# Altium PCB erb-pcb0003.PcbDoc (part 1 of 2) (continued)
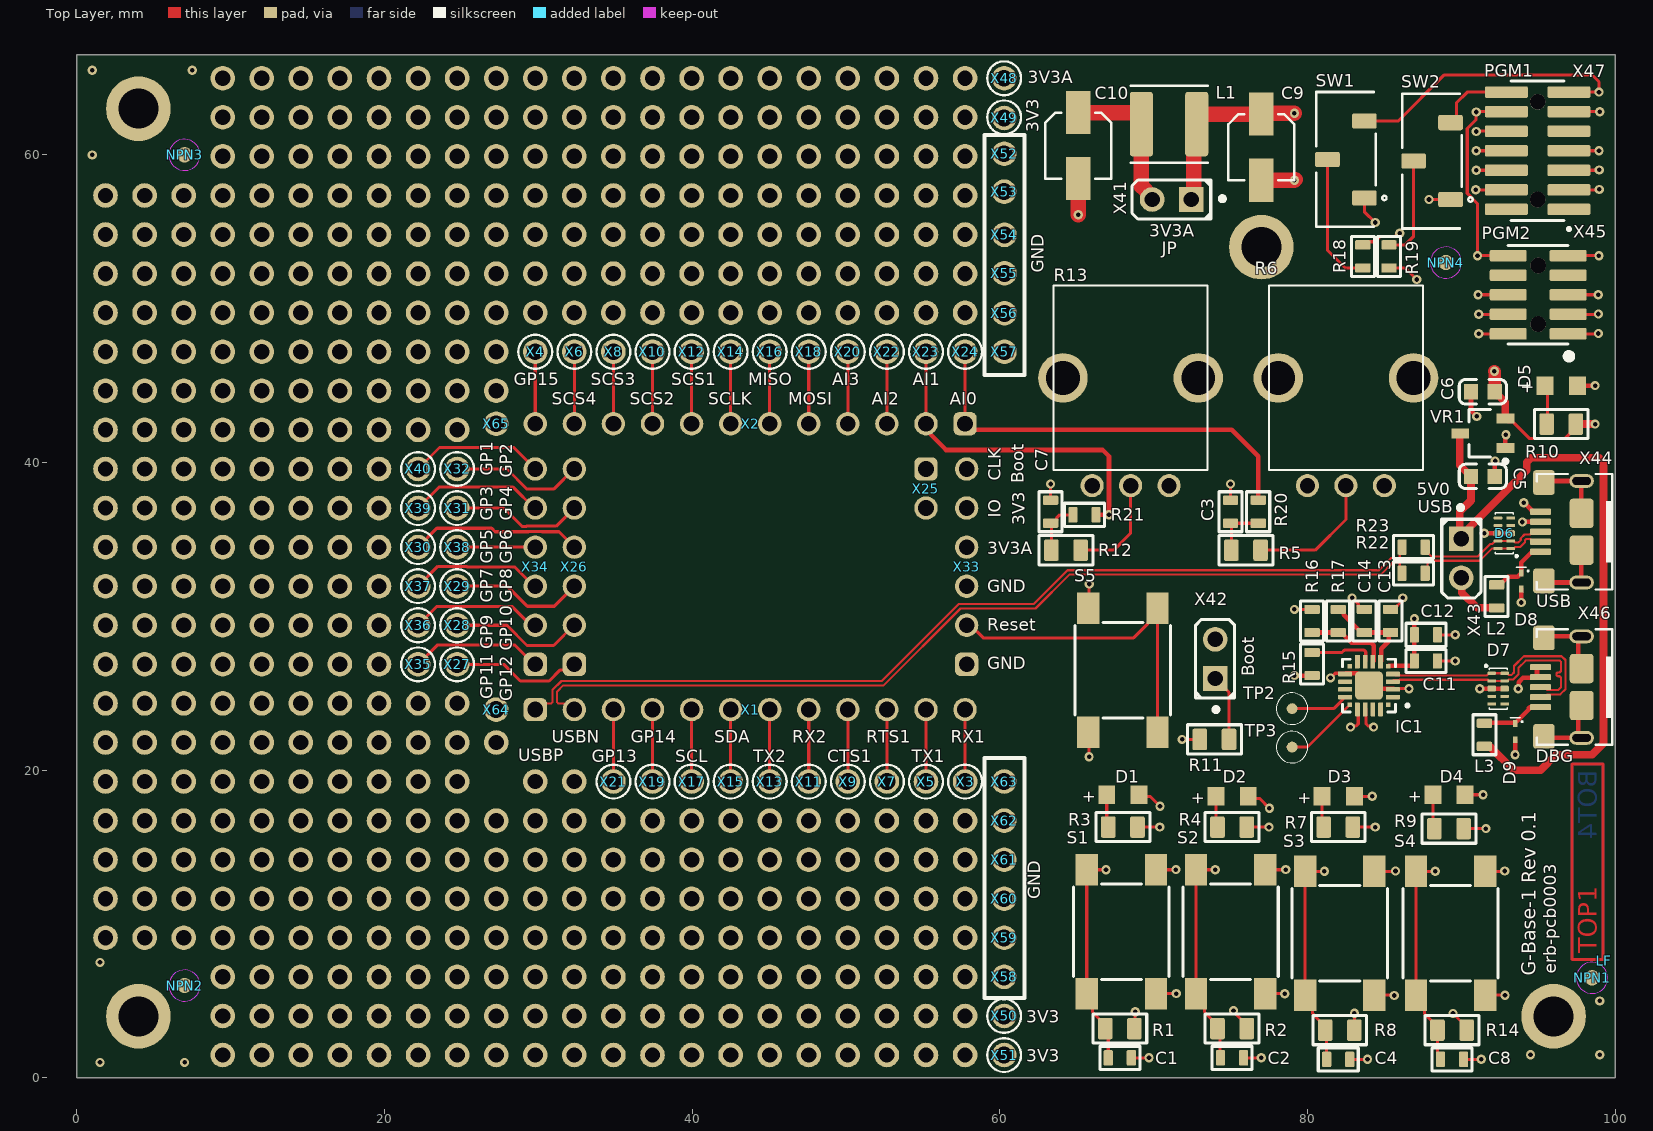
[diagram p0: Top Layer view]
## Components (designator, comment, footprint, x,y, rotation, side; value= is the part's Value field where it differs from the comment) (continued)
X24 "PAD" PAD_1.1_1.6#1 57.74,47.2 r90 top net-tie
X25 "HDR 1x2" 61300211821_NO 55.2,38.31 r270 top
X26 "HDR 1x6" 61300611821_NO 32.34,33.23 r90 top
X27 "PAD" PAD_1.1_1.6#1 24.72,26.88 r90 top net-tie
X28 "PAD" PAD_1.1_1.6#1 24.72,29.42 r90 top net-tie
X29 "PAD" PAD_1.1_1.6#1 24.72,31.96 r90 top net-tie
X30 "PAD" PAD_1.1_1.6#1 22.18,34.5 r90 top net-tie
X31 "PAD" PAD_1.1_1.6#1 24.72,37.04 r90 top net-tie
X32 "PAD" PAD_1.1_1.6#1 24.72,39.58 r90 top net-tie
X33 "HDR 1x6" 61300611821_NO 57.84,33.23 r90 top
X34 "HDR 1x6" 61300611821_NO 29.8,33.23 r90 top
X35 "PAD" PAD_1.1_1.6#1 22.18,26.88 r0 top net-tie
X36 "PAD" PAD_1.1_1.6#1 22.18,29.42 r90 top net-tie
X37 "PAD" PAD_1.1_1.6#1 22.18,31.96 r90 top net-tie
X38 "PAD" PAD_1.1_1.6#1 24.72,34.5 r90 top net-tie
X39 "PAD" PAD_1.1_1.6#1 22.18,37.04 r90 top net-tie
X40 "PAD" PAD_1.1_1.6#1 22.18,39.58 r90 top net-tie
X41 "HDR 1x2" CON_HEADER2.54_1X2W 69.9,57.1 r270 top
X42 "HDR 1x2" CON_HEADER2.54_1X2W 74,28.5 r180 top
X43 "HDR 1x2" CON_HEADER2.54_1X2W 90,32.5 r0 top
X44 "10118193-0001LF" USB-MICRO-B-RA-SMD-PIP 95.4,35.5 r180 top locked
X45 "FTSH-107-01-L-DV-K" HDR_2X5-SMD-1.27MM-K 95,50.905 r90 top locked value="Pin Header 2x5, 1.27mm"
X46 "10118193-0001LF" USB-MICRO-B-RA-SMD-PIP 95.4,25.4 r180 top locked
X47 "2x7_SMD_1.27mm" FTSH-107-01-L-DV-K 94.965,60.27 r90 top locked value="Pin Header 2x7, 1.27mm"
X48 "PAD" PAD_1.1_1.6#2 60.28,65.054 r90 top net-tie
X49 "PAD" PAD_1.1_1.6#3 60.3,62.4 r90 top net-tie
X50 "PAD" PAD_1.1_1.6#4 60.228,4.006 r90 top net-tie
X51 "PAD" PAD_1.1_1.6#5 60.228,1.449 r0 top net-tie
X52 "PAD" PAD_1.1_1.6#1 60.28,60.075 r90 top net-tie
X53 "PAD" PAD_1.1_1.6#1 60.28,57.61 r90 top net-tie
X54 "PAD" PAD_1.1_1.6#1 60.3,54.8 r90 top net-tie
X55 "PAD" PAD_1.1_1.6#1 60.3,52.3 r90 top net-tie
X56 "PAD" PAD_1.1_1.6#1 60.3,49.7 r90 top net-tie
X57 "PAD" PAD_1.1_1.6#1 60.3,47.2 r90 top net-tie
X58 "PAD" PAD_1.1_1.6#6 60.228,6.631 r90 top net-tie
X59 "PAD" PAD_1.1_1.6#7 60.374,9.149 r90 top net-tie
X60 "PAD" PAD_1.1_1.6#8 60.374,11.438 r90 top net-tie
X61 "PAD" PAD_1.1_1.6#9 60.374,14.054 r0 top net-tie
X62 "PAD" PAD_1.1_1.6#10 60.374,16.736 r90 top net-tie
X63 "PAD" PAD_1.1_1.6#11 60.228,19.26 r90 top net-tie
X64 "PAD" PAD_1.1_1.6#12 27.25,23.875 r90 top net-tie
X65 "PAD" PAD_1.1_1.6#13 27.275,42.475 r90 top net-tie

## Footprints (in the part's own frame and the unit in brackets; to place one, negate y for a bottom-side part, rotate by r counter-clockwise, add the part's x,y. Pads: shape width x height; smd on the part's side, far side on the other; paste and mask are expansions set on the pad)
0603_C [mm]
  rect 0.93x0.98 smd: 1(-0.77,0) 2(0.77,0)
  silkscreen extent -1.53,-0.79 1.54,0.79, body extent -0.8,-0.4 0.8,0.4, height 0.3
61300211821_NO [mm] "Socket Header, Pitch 2.54 mm, THT, Vertical, single row, 2p"
  rrect50% 1.52x1.52 hole 1.02: 1(-1.27,0)
  round 1.52 hole 1.02: 2(1.27,0)
  body extent -2.79,-1.25 2.79,1.25, height 8.55
61300611821_NO [mm] "Socket Header, Pitch 2.54 mm, THT, Vertical, single row, 6p"
  rrect50% 1.52x1.52 hole 1.02: 1(-6.35,0)
  round 1.52 hole 1.02: 2(-3.81,0) 3(-1.27,0) 4(1.27,0) 5(3.81,0) 6(6.35,0)
  body extent -7.87,-1.25 7.87,1.25, height 8.55
61301211821_NO [mm] "Socket Header, Pitch 2.54 mm, THT, Vertical, single row, 12p"
  rrect50% 1.52x1.52 hole 1.02: 1(-13.97,0)
  round 1.52 hole 1.02: 2(-11.43,0) 3(-8.89,0) 4(-6.35,0) 5(-3.81,0) 6(-1.27,0) 7(1.27,0) 8(3.81,0) 9(6.35,0) 10(8.89,0) 11(11.43,0) 12(13.97,0)
  body extent -15.49,-1.25 15.49,1.25, height 8.55
CAPAE4643X54M [mm] "Aluminum Electrolytic Capacitor, Body 4,30x4,30x5,40mm, IPC Low Density"
  rect 2.8x1.6 smd: 1(-2.15,0) 2(2.15,0)
  silkscreen extent -2.15,-2.15 2.15,2.15, body extent -2.3,-2.15 2.3,2.15, height 5.4
CAPC1608X95N [mm] "Chip Capacitor, 2-Leads, Body 1,6x0,8mm, imperial 0603"
  rrect25% 0.6x1 smd: 1(-0.75,0) 2(0.75,0)
  silkscreen extent -1.3,-0.75 1.3,0.75, body extent -0.8,-0.4 0.8,0.4, height 0.3
CON_HEADER2.54_1X2W [mm]
  rect 1.6x1.6 hole 1: 1(0,2.54)
  round 1.6 hole 1: 2(0,0)
  silkscreen extent -1.27,-1.31 1.27,4.71, body extent -1.27,-1.27 1.27,3.81, height 9.51
"DQA R-PUSON-N10" [mm]
  rrect50% 0.2x0.56 smd mask+0.05: 1(-1,-0.415) 2(-0.5,-0.415) 4(0.5,-0.415) 5(1,-0.415) 6(1,0.415) 7(0.5,0.415) 9(-0.5,0.415) 10(-1,0.415)
  rrect50% 0.4x0.56 smd mask+0.05: 3(0,-0.415) 8(0,0.415)
  silkscreen extent -1.5,-0.81 1.34,0.59, body extent -1.25,-0.5 1.25,0.5, height 0.55
Fiducial_1mm [mm]
  round 1 smd mask+0.5: 0(0,0)
  Top Layer keep-out circle w0.01: c0,0 r1.016
FTSH-107-01-L-DV-K [mm]
  rrect25% 0.74x2.79 smd: 1(-3.81,-2.035) 2(-3.81,2.035) 3(-2.54,-2.035) 4(-2.54,2.035) 5(-1.27,-2.035) 6(-1.27,2.035) 7(0,-2.035) 8(0,2.035) 9(1.27,-2.035) 10(1.27,2.035) 11(2.54,-2.035) 12(2.54,2.035) 13(3.81,-2.035) 14(3.81,2.035)
  round 1.02 hole 1.02: ""(-3.175,0) ""(3.175,0)
  silkscreen extent -5.19,-2.13 4.53,1.72, body extent -4.44,-2.92 4.44,2.92, height 6.21
HDR_2X5-SMD-1.27MM-K [mm]
  rrect25% 0.76x2.4 smd: 1(-2.54,-1.95) 2(-2.54,1.95) 3(-1.27,-1.95) 4(-1.27,1.95) 5(0,-1.95) 6(0,1.95) 7(1.27,-1.95) 8(1.27,1.95) 9(2.54,-1.95) 10(2.54,1.95)
  round 1.02 hole 1.02: ""(-1.905,0) ""(1.905,0)
  silkscreen extent -4.21,-2.21 3.2,1.95, body extent -3.14,-2.92 3.14,2.92, height 6.11
INDC1608X95AN [mm] "Chip Inductor, 2-Leads, Body 1,6x0,8mm, imperial 0603"
  rrect25% 0.6x1 smd: 1(-0.75,0) 2(0.75,0)
  silkscreen extent -1.3,-0.75 1.3,0.75, body extent -0.8,-0.47 0.8,0.48, height 0.8
INDP5050X39N [mm] "Precision Wire Wound Inductor, 2-Leads, Body 4,95x4,95mm, IPC Medium Density"
  rrect25% 1.5x4.2 smd: 1(-1.8,0) 2(1.8,0)
  silkscreen extent -2.5,-2.5 2.5,2.5, body extent -2.47,-2.47 2.48,2.48, height 3.9
LAGENKENNER_4MLL [mm] "Pin Header, pitch 2.54 mm, THT, Vertical, single row, 2p"
  Top Layer lines w0.2: 0.1,2.1 0.1,0.1 12.8,0.1 12.8,2.1 0.1,2.1
  Bottom Layer lines w0.2: 0.1,2.1 0.1,0.1 12.8,0.1 12.8,2.1 0.1,2.1
  Multi-Layer pour cut-out: 0,2.2 0,0 12.9,0 12.9,2.2
PAD_1.1_1.6#1 [mm]
  round 1.6 hole 1.1: 1(0,0)
PAD_1.1_1.6#2 [mm]
  round 1.6 hole 1.1: 1(-0.074,0)
PAD_1.1_1.6#3 [mm]
  round 1.6 hole 1.1: 1(0,0.02)
PAD_1.1_1.6#4 [mm]
  round 1.6 hole 1.1: 1(0.014,-0.052)
PAD_1.1_1.6#5 [mm]
  round 1.6 hole 1.1: 1(0.052,0.031)
PAD_1.1_1.6#6 [mm]
  round 1.6 hole 1.1: 1(-0.071,-0.052)
PAD_1.1_1.6#7 [mm]
  round 1.6 hole 1.1: 1(-0.049,0.094)
PAD_1.1_1.6#8 [mm]
  round 1.6 hole 1.1: 1(0.202,0.094)
PAD_1.1_1.6#9 [mm]
  round 1.6 hole 1.1: 1(-0.094,0.126)
PAD_1.1_1.6#10 [mm]
  round 1.6 hole 1.1: 1(-0.016,0.094)
PAD_1.1_1.6#11 [mm]
  round 1.6 hole 1.1: 1(0,-0.052)
PAD_1.1_1.6#12 [mm]
  round 1.6 hole 1.1: 1(0.065,-0.01)
PAD_1.1_1.6#13 [mm]
  round 1.6 hole 1.1: 1(0.045,0.015)
PTV09 [mm]
  round 1.508 hole 1: 1(-2.5,-7) 2(0,-7) 3(2.5,-7)
  round 3.216 hole 2.2: NC1(-4.4,0) NC2(4.4,0)
  silkscreen extent -5,-6 5,6, body extent -5.69,-7.1 5.7,5.5, height 25.5
RESC1608X55AN [mm] "Chip Resistor, 2-Leads, Body 1,6x0,85mm, imperial 0603"
  rrect25% 0.6x1 smd: 1(-0.75,0) 2(0.75,0)
  silkscreen extent -1.3,-0.75 1.3,0.75, body extent -0.8,-0.4 0.8,0.4, height 0.55
RESC1608X55N [mm] "Chip Resistor, 2-Leads, Body 1,6x0,85mm, imperial 0603"
  rrect25% 0.6x1 smd: 1(-0.75,0) 2(0.75,0)
  silkscreen extent -1.3,-0.75 1.3,0.75, body extent -0.8,-0.4 0.8,0.4, height 0.55
RESC2012X70N [mm] "Chip Resistor, 2-Leads, Body 2,0x1,25mm, imperial 0805"
  rrect25% 0.95x1.4 smd: 1(-0.95,0) 2(0.95,0)
  silkscreen extent -1.75,-0.95 1.75,0.95, body extent -1,-0.6 1,0.6, height 0.7
SILABS_CP2102N-A02-GQFN20R [mm]
  rrect25% 0.3x0.3 smd mask+0.05: 1(-1.25,1.25) 6(-1.25,-1.25) 11(1.25,-1.25) 16(1.25,1.25)
  rrect25% 0.9x0.3 smd mask+0.05: 2(-1.55,0.75) 3(-1.55,0.25) 4(-1.55,-0.25) 5(-1.55,-0.75) 12(1.55,-0.75) 13(1.55,-0.25) 14(1.55,0.25) 15(1.55,0.75)
  rrect25% 0.3x0.9 smd mask+0.05: 7(-0.75,-1.55) 8(-0.25,-1.55) 9(0.25,-1.55) 10(0.75,-1.55) 17(0.75,1.55) 18(0.25,1.55) 19(-0.25,1.55) 20(-0.75,1.55)
  rrect25% 1.8x1.8 smd: 21(0,0)
  silkscreen extent -2.6,-1.72 1.72,1.72, body extent -1.5,-1.5 1.5,1.5, height 0.8
SODFL100X40-2N [mm] "SODFL, 2-Leads, Body 0,60x1,00mm, IPC Medium Density"
  rrect25% 0.45x0.3 smd mask+0.05: A(0.525,0) K(-0.525,0)
  silkscreen extent -0.9,-0.33 -0.6,0.5, body extent -0.5,-0.33 0.5,0.33, height 0.4
SOT-23-3L [mm] "http://www.aosmd.com/res/packaging_information/SOT-23-3L.pdf"
  rect 1.15x0.65 smd: 1(1.475,-0.95) 2(1.475,0.95) 3(-1.475,0)
  silkscreen extent -0.9,-1.95 1.6,1.55, body extent -0.9,-1.55 0.9,1.55, height 1.25
SW_JS102011JCQN [mm]
  rrect25% 1x1.6 smd: 1(-2.5,-1.2) 2(0,1.2) 3(2.5,-1.2)
  silkscreen extent -4.39,-2.64 4.39,1.94, body extent -4.25,-2 4.25,2, height 5.4
TP_0.7mm [mm]
  round 0.7 smd paste-10: 1(0,0)
  silkscreen extent -1.02,-1.02 1.02,1.02, body extent -0.4,-0.4 0.4,0.4, height 0.01
UK-B0228-G5-160-JZ [mm] "SMD Tact Switch, body 6x6mm"
  rect 2.05x1.45 smd: 1(-4.025,2.25) 2(4.025,2.25) 3(-4.025,-2.25) 4(4.025,-2.25)
  silkscreen extent -3.1,-3.1 3.1,3.1, body extent -4.5,-3.1 4.5,3.1, height 7
USB-MICRO-B-RA-SMD-PIP [mm]
  rrect25% 1.35x0.4 smd: 1(0.25,1.3) 2(0.25,0.65) 3(0.25,0) 4(0.25,-0.65) 5(0.25,-1.3)
  oval 1.6x0.9 hole 0.5 slot 1.2 at 0 deg: 6(-2.425,3.3) 6(-2.425,-3.3)
  oval 2x1.5 on Top Paste: 6(-2.425,3.3) 6(-2.425,-3.3)
  rrect25% 1.55x1.9 smd: 6(-2.425,-1.2) 6(-2.425,1.2)
  rrect25% 1.4x1.6 smd: 6(0.025,3.2) 6(0.025,-3.2)
  silkscreen extent -4.5,-3.75 0.5,3.75, body extent -5.03,-4.1 0.4,4.1, height 2.72
WL-SMCW_0805 [mm] "SMD Mono-color Chip LED, body 2.0x1.25mm"
  rect 1.1x1.2 smd: A(1.05,0) K(-1.05,0)
  body extent -1,-0.63 1,0.62, height 0.7

## Part data
C1 C2 C4 C8 C11 C13: library part C_100n_50V_0603, "100n_50V", JLC=C14663, Manufacturer=AVX, Manufacturer Part Number=06031C104KAT2A, Tolerance=+-10%, Voltage Rating=50V, Alternatives allowed=YES, Notes="X7R, 0603"
C3 C7: library part 100n_50V, "100n_50V", Manufacturer=AVX, Manufacturer Part Number=06031C104KAT2A, Tolerance=+-10%, Voltage Rating=100V, Alternatives allowed=YES, Notes="X7R, 0603"
C5 C6: library part "0603 1uF (105) 10% 50V", "Chip capacitors", Manufacturer="Samsung Electro-Mechanics", Package=0603, PartNumber=CL10A105KB8NNNC, SuppliersPartNumber=C15849, Tolerance=10%, Voltage=50V, Capacitance=1uF, ComponentLink1Description="Supplier link", ComponentLink1URL=http://www.szlcsc.com/product/details_16531.html, Supplier=LC
C9 C10: library part CAP_22u, "Aluminium Electrolytic Capacitors - SMD 22UF 16V HA SMD", Manufacturer=Panasonic, Manufacturer Part Number=EEE-HAC220WAR, Tolerance=20%, Voltage Rating=16V, Alternatives allowed=NO
C12 C14: library part CAP_4u7_0603, "16V 4.7uF X5R ±10% 0603 Multilayer Ceramic Capacitors MLCC - SMD/SMT ROHS", JLC=C19666, Manufacturer="Murata Electronics", Manufacturer Part Number=GRM188C81C475KE11D, Tolerance=10%, Voltage Rating=16VDC, Alternatives allowed=yes
D1 D2 D3 D4 D5: library part LED_0805_RED_AK, "Standard LEDs - SMD WL-SMCW SMDMono TpVw Waterclr 0805 Red", JLC=C84256, Manufacturer="Wurth Elektronik", Manufacturer Part Number=150080RS75000, Voltage Rating=2.0, Alternatives allowed=YES
D6 D7: library part TPD4EUSB30DQAR, "2-, 4-Channel ESD Protection for Super-Speed USB 3.0 Interface", Manufacturer="Texas Instruments", Alternatives allowed=NO, Manufacturer Part Number=TPD4EUSB30DQAR
D8 D9: library part DIO_TVS_5V3, "ESD Suppressors / TVS Diodes WE-VE 0603 USB 2.0 5V 10MoHM", JLC=C896553, Manufacturer=onsemi, Manufacturer Part Number=SZESD7371P2T5G, Alternatives allowed=YES, Voltage Rating=5V3
IC1: library part IC_CP2102N-A02-QFN20, "USB Interface IC USBXpress - USB to UART Bridge QFN28", JLC=C969913, Manufacturer="Silicon Labs", Manufacturer Part Number=CP2102N-A02-GQFN20R, Alternatives allowed=NO, ComponentLink1Description=Datasheet, ComponentLink2Description="Supplier link", DevNote="USB/UART Bridge"
L1: library part IND_2u2_3.8A, "Fixed Inductors 2.2uH 3.8A", JLC=N/A, Manufacturer=Bourns, Manufacturer Part Number=SRN5040TA-2R2M, Tolerance=10%, Voltage Rating=50V, Alternatives allowed=yes
L2 L3: library part FB_120R_0603, "Chip Bead Inductors for Power Lines", Manufacturer="Taiyo Yuden", Manufacturer Part Number=FBMH1608HL121-T, Alternatives allowed=YES, Notes="0603, 1,2A"
NPN1 NPN2 NPN3 NPN4 NPN5 NPN6 NPN7 NPN8: library part Fiducial_1mm
R1 R2 R5 R8 R11 R12 R14: library part RES_100k_0805, "Thick Film Resistors - SMD 1/8watt 100Kohms 1% 100ppm", JLC=C17407, Manufacturer="Vishay / Dale", Manufacturer Part Number=CRCW0805100KFKEA, Tolerance=1%, Voltage Rating=150V, Alternatives allowed=YES
R3 R4 R7 R9 R10: library part RES_560R_0805, "Thick Film Resistors - SMD 560 Ohms 125 mW 0805 1%", Manufacturer=YAGEO, Manufacturer Part Number=RC0805FR-10560RL, Tolerance=1%, Voltage Rating=150V, Alternatives allowed=YES
R6 R13: "Potentiometers PANEL CONTROL - 9MM-ST-CA 50 kohms 30 mm", Manufacturer=Bourns, Manufacturer Part Number=PTV09A-4030S-A503, Tolerance=20%
R15: library part RES_1k_0603, "Thick Film Resistors - SMD 1 kOhms 100mW 0603 1%", JLC=C21190, Manufacturer=Yageo, Manufacturer Part Number=RC0603FR-071KL, Tolerance=1%, Voltage Rating=75V, Alternatives allowed=YES
R16: library part RES_33k_0603, "Thick Film Resistors - SMD 33 kOhms 100 mW 0603 5%", JLC=C4216, Manufacturer=YAGEO, Manufacturer Part Number=RC0603JR-0733KL, Tolerance=1%, Voltage Rating=50V, Alternatives allowed=YES
R17: library part RES_22k_0603, "Thick Film Resistors - SMD 22kOhms 1/10W 0603 1%", JLC=C31850, Manufacturer=YAGEO, Manufacturer Part Number=RC0603FR-7W22KL, Tolerance=1%, Voltage Rating=75V, Alternatives allowed=YES
R18 R19 R20 R21 R22 R23: library part RES_0R_0603, "Thick Film Resistors - SMD 1/10watt ZEROohm Jumper", JLC=C21189, Manufacturer=Vishay, Manufacturer Part Number=CRCW06030000Z0EA, Tolerance=1%, Voltage Rating=75V, Alternatives allowed=YES
S1 S2 S3 S4 S5: library part SW_UK-B0228-G5-160-JZ, "No NO Gull Wing 50mA 6mm 100MΩ 100000 12V 160gf@±50gf -20℃~+70℃ 6mm 5mm Black Round Button Brick nogging SPST SMD Tactile Switches ROHS", JLC=C620316, Manufacturer=USAKRO, Manufacturer Part Number=UK-B0228-G5-160-JZ
SW1 SW2: library part SW_JS102011JCQN, "Slide Switch SPDT Surface Mount", JLC=C221659, Manufacturer=C&K, Manufacturer Part Number=JS102011JCQN
  SW1: DevNote="UART Switches"
TP2 TP3: library part "MISC_Test Pad 0.7mm", "Test Pad surface mount", Manufacturer=N/A, Alternatives allowed=NO, Manufacturer Part Number=N/A, Notes="Test Pad Only"
VR1: library part "SOT-23 XC6206P332MR", "低压差线性稳压(LDO)", Package=SOT-23, SuppliersPartNumber=C5446, ComponentLink1Description=供应商链接, ComponentLink1URL=http://www.szlcsc.com/product/details_5896.html, Supplier=LC
X1 X2: library part CON_HEADER_1X12_FEMALE_NO, "Board-to-Board-Steckverbinder, 2.54 mm, 12 Kontakt(e), Stiftleiste 1-Reihig", Manufacturer=WE, Manufacturer Part Number=61301211821, Alternatives allowed=YES
X3 X4 X5 X6 X7 X8 X9 X10 X11 X12 X13 X14 X15 X16 X17 X18 X19 X20 X21 X22 X23 X24 X27 X28 X29 X30 X31 X32 X35 X36 X37 X38 X39 X40 X48 X49 X50 X51 X52 X53 X54 X55 X56 X57 X58 X59 X60 X61 X62 X63 X64 X65: library part PAD_2.54
X25: library part CON_HEADER_1X2_FEMALE_NO, "Board-to-Board-Steckverbinder, 2.54 mm, 2 Kontakt(e), Stiftleiste 1-Reihig", Lumira Part Number=S-QMS-SPEC-32507, Manufacturer=WE, Manufacturer Part Number=61300211821, Alternatives allowed=YES
X26 X33 X34: library part CON_HEADER_1X6_FEMALE_NO, "Board-to-Board-Steckverbinder, 2.54 mm, 6 Kontakt(e), Stiftleiste 1-Reihig", Manufacturer=WE, Manufacturer Part Number=61300611821, Alternatives allowed=YES
X41 X42 X43: library part CON_HEADER_1X2, "Board-to-Board-Steckverbinder, 2.54 mm, 2 Kontakt(e), Stiftleiste 1-Reihig", Lumira Part Number=S-QMS-SPEC-32507, Manufacturer=Samtec, Manufacturer Part Number=TSW-102-07-T-S, Alternatives allowed=YES
X44 X46: library part CON_MiniUSB-AB-SMT, "MicroUSB-B-SMT", Manufacturer="Amphenol ICC (FCI)", ComponentLink1Description=Datasheet, ComponentLink2Description="Supplier link", Manufacturer Part Number=10118193-0001LF
X45: library part CON_2x5_SMD_1.27mm, "Pin Header 2x5, 1.27mm (50mil), SMD, Keying Shroud", Manufacturer=Samtec, Manufacturer Part Number=FTSH-105-01-L-DV-K, ComponentLink1Description=Datasheet, ComponentLink2Description="Supplier link", DevNote="Debug Connector 2"
X47: library part CON_2x7_SMD_1.27mm, "Headers & Wire Housings High Reliability Header Strips, 0.050 pitch, 2 x 7", Manufacturer=Samtec, Manufacturer Part Number=FTSH-107-04-F-DV-P-TR, ComponentLink1Description=Datasheet, ComponentLink2Description="Supplier link", DevNote="Debug Connector 1"

## Free pads (board coordinates)
  round 1.6 hole 1: 2(1.86,9.1) 2(1.86,11.64) 2(1.86,14.18) 2(1.86,16.72) 2(1.86,19.26) 2(1.86,21.8) 2(1.86,24.34) 2(1.86,26.88) 2(1.86,29.42) 2(1.86,31.96) 2(1.86,34.5) 2(1.86,37.04) 2(1.86,39.58) 2(1.86,42.12) 2(1.86,44.66) 2(1.86,47.2) 2(1.86,49.74) 2(1.86,52.28) 2(1.86,54.82) 2(1.86,57.36) 2(4.4,9.1) 2(4.4,11.64) 2(4.4,14.18) 2(4.4,16.72) 2(4.4,19.26) 2(4.4,21.8) 2(4.4,24.34) 2(4.4,26.88) 2(4.4,29.42) 2(4.4,31.96) 2(4.4,34.5) 2(4.4,37.04) 2(4.4,39.58) 2(4.4,42.12) 2(4.4,44.66) 2(4.4,47.2) 2(4.4,49.74) 2(4.4,52.28) 2(4.4,54.82) 2(4.4,57.36) 2(6.94,9.1) 2(6.94,11.64) 2(6.94,14.18) 2(6.94,16.72) 2(6.94,19.26) 2(6.94,21.8) 2(6.94,24.34) 2(6.94,26.88) 2(6.94,29.42) 2(6.94,31.96) 2(6.94,34.5) 2(6.94,37.04) 2(6.94,39.58) 2(6.94,42.12) 2(6.94,44.66) 2(6.94,47.2) 2(6.94,49.74) 2(6.94,52.28) 2(6.94,54.82) 2(6.94,57.36) 2(9.48,1.48) 2(9.48,4.02) 2(9.48,6.56) 2(9.48,9.1) 2(9.48,11.64) 2(9.48,14.18) 2(9.48,16.72) 2(9.48,19.26) 2(9.48,21.8) 2(9.48,24.34) 2(9.48,26.88) 2(9.48,29.42) 2(9.48,31.96) 2(9.48,34.5) 2(9.48,37.04) 2(9.48,39.58) 2(9.48,42.12) 2(9.48,44.66) 2(9.48,47.2) 2(9.48,49.74) 2(9.48,52.28) 2(9.48,54.82) 2(9.48,57.36) 2(9.48,59.9) 2(9.48,62.44) 2(9.48,64.98) 2(12.02,1.48) 2(12.02,4.02) 2(12.02,6.56) 2(12.02,9.1) 2(12.02,11.64) 2(12.02,14.18) 2(12.02,16.72) 2(12.02,19.26) 2(12.02,21.8) 2(12.02,24.34) 2(12.02,26.88) 2(12.02,29.42) 2(12.02,31.96) 2(12.02,34.5) 2(12.02,37.04) 2(12.02,39.58) 2(12.02,42.12) 2(12.02,44.66) 2(12.02,47.2) 2(12.02,49.74) 2(12.02,52.28) 2(12.02,54.82) 2(12.02,57.36) 2(12.02,59.9) 2(12.02,62.44) 2(12.02,64.98) 2(14.56,1.48) 2(14.56,4.02) 2(14.56,6.56) 2(14.56,9.1) 2(14.56,11.64) 2(14.56,14.18) 2(14.56,16.72) 2(14.56,19.26) 2(14.56,21.8) 2(14.56,24.34) 2(14.56,26.88) 2(14.56,29.42) 2(14.56,31.96) 2(14.56,34.5) 2(14.56,37.04) 2(14.56,39.58) 2(14.56,42.12) 2(14.56,44.66) 2(14.56,47.2) 2(14.56,49.74) 2(14.56,52.28) 2(14.56,54.82) 2(14.56,57.36) 2(14.56,59.9) 2(14.56,62.44) 2(14.56,64.98) 2(17.1,1.48) 2(17.1,4.02) 2(17.1,6.56) 2(17.1,9.1) 2(17.1,11.64) 2(17.1,14.18) 2(17.1,16.72) 2(17.1,19.26) 2(17.1,21.8) 2(17.1,24.34) 2(17.1,26.88) 2(17.1,29.42) 2(17.1,31.96) 2(17.1,34.5) 2(17.1,37.04) 2(17.1,39.58) 2(17.1,42.12) 2(17.1,44.66) 2(17.1,47.2) 2(17.1,49.74) 2(17.1,52.28) 2(17.1,54.82) 2(17.1,57.36) 2(17.1,59.9) 2(17.1,62.44) 2(17.1,64.98) 2(19.64,1.48) 2(19.64,4.02) 2(19.64,6.56) 2(19.64,9.1) 2(19.64,11.64) 2(19.64,14.18) 2(19.64,16.72) 2(19.64,19.26) 2(19.64,21.8) 2(19.64,24.34) 2(19.64,26.88) 2(19.64,29.42) 2(19.64,31.96) 2(19.64,34.5) 2(19.64,37.04) 2(19.64,39.58) 2(19.64,42.12) 2(19.64,44.66) 2(19.64,47.2) 2(19.64,49.74) 2(19.64,52.28) 2(19.64,54.82) 2(19.64,57.36) 2(19.64,59.9) 2(19.64,62.44) 2(19.64,64.98) 2(22.18,1.48) 2(22.18,4.02) 2(22.18,6.56) 2(22.18,9.1) 2(22.18,11.64) 2(22.18,14.18) 2(22.18,16.72) 2(22.18,19.26) 2(22.18,21.8) 2(22.18,24.34) 2(22.18,42.12) 2(22.18,44.66) 2(22.18,47.2) 2(22.18,49.74) 2(22.18,52.28) 2(22.18,54.82) 2(22.18,57.36) 2(22.18,59.9) 2(22.18,62.44) 2(22.18,64.98) 2(24.72,1.48) 2(24.72,4.02) 2(24.72,6.56) 2(24.72,9.1) 2(24.72,11.64) 2(24.72,14.18) 2(24.72,16.72) 2(24.72,19.26) 2(24.72,21.8) 2(24.72,24.34) 2(24.72,42.12) 2(24.72,44.66) 2(24.72,47.2) 2(24.72,49.74) 2(24.72,52.28) 2(24.72,54.82) 2(24.72,57.36) 2(24.72,59.9) 2(24.72,62.44) 2(24.72,64.98) 2(27.26,1.48) 2(27.26,4.02) 2(27.26,6.56) 2(27.26,9.1) 2(27.26,11.64) 2(27.26,14.18) 2(27.26,16.72) 2(27.26,21.8) 2(27.26,44.66) 2(27.26,47.2) 2(27.26,49.74) 2(27.26,52.28) 2(27.26,54.82) 2(27.26,57.36) 2(27.26,59.9) 2(27.26,62.44) 2(27.26,64.98) 2(29.8,1.48) 2(29.8,4.02) 2(29.8,6.56) 2(29.8,9.1) 2(29.8,11.64) 2(29.8,14.18) 2(29.8,16.72) 2(29.8,19.26) 2(29.8,49.74) 2(29.8,52.28) 2(29.8,54.82) 2(29.8,57.36) 2(29.8,59.9) 2(29.8,62.44) 2(29.8,64.98) 2(32.34,1.48) 2(32.34,4.02) 2(32.34,6.56) 2(32.34,9.1) 2(32.34,11.64) 2(32.34,14.18) 2(32.34,16.72) 2(32.34,19.26) 2(32.34,49.74) 2(32.34,52.28) 2(32.34,54.82) 2(32.34,57.36) 2(32.34,59.9) 2(32.34,62.44) 2(32.34,64.98) 2(34.88,1.48) 2(34.88,4.02) 2(34.88,6.56) 2(34.88,9.1) 2(34.88,11.64) 2(34.88,14.18) 2(34.88,16.72) 2(34.88,49.74) 2(34.88,52.28) 2(34.88,54.82) 2(34.88,57.36) 2(34.88,59.9) 2(34.88,62.44) 2(34.88,64.98) 2(37.42,1.48) 2(37.42,4.02) 2(37.42,6.56) 2(37.42,9.1) 2(37.42,11.64) 2(37.42,14.18) 2(37.42,16.72) 2(37.42,49.74) 2(37.42,52.28) 2(37.42,54.82) 2(37.42,57.36) 2(37.42,59.9) 2(37.42,62.44) 2(37.42,64.98) 2(39.96,1.48) 2(39.96,4.02) 2(39.96,6.56) 2(39.96,9.1) 2(39.96,11.64) 2(39.96,14.18) 2(39.96,16.72) 2(39.96,49.74) 2(39.96,52.28) 2(39.96,54.82) 2(39.96,57.36) 2(39.96,59.9) 2(39.96,62.44) 2(39.96,64.98) 2(42.5,1.48) 2(42.5,4.02) 2(42.5,6.56) 2(42.5,9.1) 2(42.5,11.64) 2(42.5,14.18) 2(42.5,16.72) 2(42.5,49.74) 2(42.5,52.28) 2(42.5,54.82) 2(42.5,57.36) 2(42.5,59.9) 2(42.5,62.44) 2(42.5,64.98) 2(45.04,1.48) 2(45.04,4.02) 2(45.04,6.56) 2(45.04,9.1) 2(45.04,11.64) 2(45.04,14.18) 2(45.04,16.72) 2(45.04,49.74) 2(45.04,52.28) 2(45.04,54.82) 2(45.04,57.36) 2(45.04,59.9) 2(45.04,62.44) 2(45.04,64.98) 2(47.58,1.48) 2(47.58,4.02) 2(47.58,6.56) 2(47.58,9.1) 2(47.58,11.64) 2(47.58,14.18) 2(47.58,16.72) 2(47.58,49.74) 2(47.58,52.28) 2(47.58,54.82) 2(47.58,57.36) 2(47.58,59.9) 2(47.58,62.44) 2(47.58,64.98) 2(50.12,1.48) 2(50.12,4.02) 2(50.12,6.56) 2(50.12,9.1) 2(50.12,11.64) 2(50.12,14.18) 2(50.12,16.72) 2(50.12,49.74) 2(50.12,52.28) 2(50.12,54.82) 2(50.12,57.36) 2(50.12,59.9) 2(50.12,62.44) 2(50.12,64.98) 2(52.66,1.48) 2(52.66,4.02) 2(52.66,6.56) 2(52.66,9.1) 2(52.66,11.64) 2(52.66,14.18) 2(52.66,16.72) 2(52.66,49.74) 2(52.66,52.28) 2(52.66,54.82) 2(52.66,57.36) 2(52.66,59.9) 2(52.66,62.44) 2(52.66,64.98) 2(55.2,1.48) 2(55.2,4.02) 2(55.2,6.56) 2(55.2,9.1) 2(55.2,11.64) 2(55.2,14.18) 2(55.2,16.72) 2(55.2,49.74) 2(55.2,52.28) 2(55.2,54.82) 2(55.2,57.36) 2(55.2,59.9) 2(55.2,62.44) 2(55.2,64.98) 2(57.74,1.48) 2(57.74,4.02) 2(57.74,6.56) 2(57.74,9.1) 2(57.74,11.64) 2(57.74,14.18) 2(57.74,16.72) 2(57.74,49.74) 2(57.74,52.28) 2(57.74,54.82) 2(57.74,57.36) 2(57.74,59.9) 2(57.74,62.44) 2(57.74,64.98)
  round 4.2 hole 2.6: 6(4,4) 6(4,63) 6(77,54) 6(96,4)

## Via types
v1: diameter 0.6, hole 0.3, Top Layer to Bottom Layer, 92 vias

## Nets (pads, with @x,y where several pads share a name; then routed paths per layer and width w, separated by ;. In a path a pad name is that pad's centre, name@x,y a point inside that pad or via, vN(x,y) a via of type N, cw(c..) or ccw(c..) an arc to the next point about the centre after c; other vN are vias at no path point)
3V3: C6.2 C9.1 L1.1 R1.2 R2.2 R3.1 R4.1 R7.1 R8.2 R9.1 R10.1 R11.2 R14.2 VR1.2 X33.5 X41.1 X45.1 X47.3 X49.1 X50.1 X51.1 | length 38.4
  Top Layer w0.2: R1.2@68.8,3.2 v1(68.8,4.3) ; R3.1@68.95,16.3 v1(70.4,16.3) ; v1(71.85,22) R11.2@73,22 ; v1(75.19,4.369) 75.19,4.297 75.675,3.812 75.675,3.81 76.05,3.435 R2.2@76.05,3.2 ; R4.1@76.05,16.3 v1(77.5,16.3) ; R7.1@82.95,16.3 v1(84.4,16.3) ; R8.2@83.05,3.1 v1(83.05,4.2) ; v1(89.458,4.181) 89.951,3.688 89.976,3.688 90.35,3.315 R14.2@90.35,3.1 ; R9.1@90.15,16.2 v1(91.6,16.2) ; VR1.2@92.85,42.85 93.075,42.625 93.375,42.625 94.45,41.55 96.724,41.55 97.086,41.912 97.126,41.912 97.5,42.285 R10.1@97.5,42.5 ; X45.1@96.95,48.365 v1@98.89,48.365 ; X47.3@97,57.73 v1@98.94,57.73
  Top Layer w0.5: C6.2@92.17,44.6 92.17,44.575 92.385,44.36 92.41,44.36 92.85,43.92 VR1.2@92.85,42.85 ; R10.1@97.5,42.5 v1(98.7,42.5)
  Top Layer w0.8: v1(92.152,45.94) 92.17,45.922 C6.2@92.17,44.6
  Top Layer w1: X41.1@72.44,57.1 72.6,57.26 72.6,61.8 L1.1@72.8,62 72.8,62.4 73.05,62.65 C9.1@77,62.65 ; C9.1@76.8,62.7 v1(79.15,62.7)
  other v1: 98.913,48.388 98.963,57.753
3V3A: C10.1 L1.2 R6.3 R13.3 X33.4 X41.2 X48.1 | length 76.1
  Top Layer w1: C10.1@65.1,62.75 68.95,62.75 69.2,62.5 L1.2@69.2,62 69.2,57.962 69.9,57.262 X41.2@69.9,57.1
  Mid-Layer 2 w1: X33.4@57.74,34.5 X33.4@57.84,34.5 67,34.5 R13.3@71,38.5 ; X48.1@60.3,64.7 60.539,64.939 60.819,64.939 60.958,64.8 68.9,64.8 69.9,63.8 X41.2@69.9,57.1 70.015,56.985 70.015,56.561 70.125,56.451 70.125,42.175 71,41.3 R13.3@71,38.5 ; R6.3@85,38.5 83.3,36.8 72.7,36.8 R13.3@71,38.5
5V0: C5.2 L3.1 VR1.3 X43.1 | length 46.7
  Top Layer w0.3: C5.2@90.63,39.1 C5.2@90.63,39.125
  Top Layer w0.5: VR1.3@89.9,41.9 89.9,39.83 90.39,39.34 90.415,39.34 C5.2@90.63,39.125 ; C5.2@90.63,39.1 90.63,37.53 89.9,36.8 89.9,35.14 94.25,39.49 94.25,40.007 94.543,40.3 98.957,40.3 99.25,40.007 99.25,21.75 98.5,21 96.15,21 95.15,20 93.4,20 91.9,21.5 91.55,21.5 L3.1@91.5,21.55
Analog_In_1: R20.2 X2.1 X24.1 | length 27.7
  Top Layer w0.2: X2.1@57.74,42.12 X24.1@57.74,47.2
  Top Layer w0.3: X2.1@57.74,42.12 75.08,42.12 76.8,40.4 R20.2@76.8,37.55
Analog_In_2: R21.2 X2.2 X23.1 | length 22.3
  Top Layer w0.2: X2.2@55.2,42.12 X23.1@55.2,47.2
  Top Layer w0.3: X2.2@55.2,42.12 56.504,40.816 66.684,40.816 67.1,40.4 v1(67.1,36.6) R21.2@66.3,36.6
Analog_In_3: X2.3 X22.1 | length 5.1
  Top Layer w0.2: X2.3@52.66,42.12 X22.1@52.66,47.2
Analog_In_4: X2.4 X20.1 | length 5.1
  Top Layer w0.2: X2.4@50.12,42.12 X20.1@50.12,47.2
Boot_0: R11.1 X33.6 X42.1 | length 39.5
  Top Layer w0.2: X42.1@74,25.96 74.9,25.06 R11.1@74.9,22
  Mid-Layer 2 w0.2: X33.6@57.74,39.58 56.52,40.8 54.6,40.8 53.8,40 53.8,32.5 55.7,30.6 69.36,30.6 X42.1@74,25.96
CTS_CP2102: IC1.15 TP2.1 | length 3.6
  Top Layer w0.2: TP2.1@78.904,24.096 TP2.1@79,24 ; TP2.1@79.317,24 81.7,24 IC1.15@82.5,24.8
DBG_USB_N: D7.1 D7.10 IC1.5 X46.2 | length 15.6
  Top Layer w0.14: IC1.5@85.63,26.27 85.73,26.17 86.007,26.17 86.012,26.165 91.67,26.165 91.805,26.3 92.8,26.3 92.98,26.3 93.085,26.195 93.274,26.195 93.43,26.351 93.43,26.772 94.068,27.41 96.518,27.41 96.77,27.158 96.77,25.26 96.44,24.93 95.58,24.93 X46.2@95.4,24.75
DBG_USB_P: D7.2 D7.9 IC1.4 X46.3 | length 15.5
  Top Layer w0.14: IC1.4@85.55,25.85 85.97,25.85 85.995,25.875 91.73,25.875 91.805,25.8 92.8,25.8 92.98,25.8 93.085,25.905 93.394,25.905 93.72,26.231 93.72,26.652 94.188,27.12 96.398,27.12 96.48,27.038 96.48,26.8 96.48,26.49 cw(c96.34,26.49) 96.34,26.35 96.3,26.35 ccw(c96.3,26.23) 96.3,26.11 96.34,26.11 cw(c96.34,25.97) 96.48,25.97 96.48,25.51 96.48,25.38 96.32,25.22 95.58,25.22 95.4,25.4 X46.3@94.925,25.4